# Altium PCB MultiChannelLdc.PcbDoc
Units mm, origin at the board's own origin, x right, y up, seen from the top; angles counter-clockwise.
Board outline 60 x 70 mm, 2 copper layers (Top Layer, Bottom Layer); 194 components, 97 nets, 629 pads, 135 vias.
Unrouted connection lines stored in the file: 91.
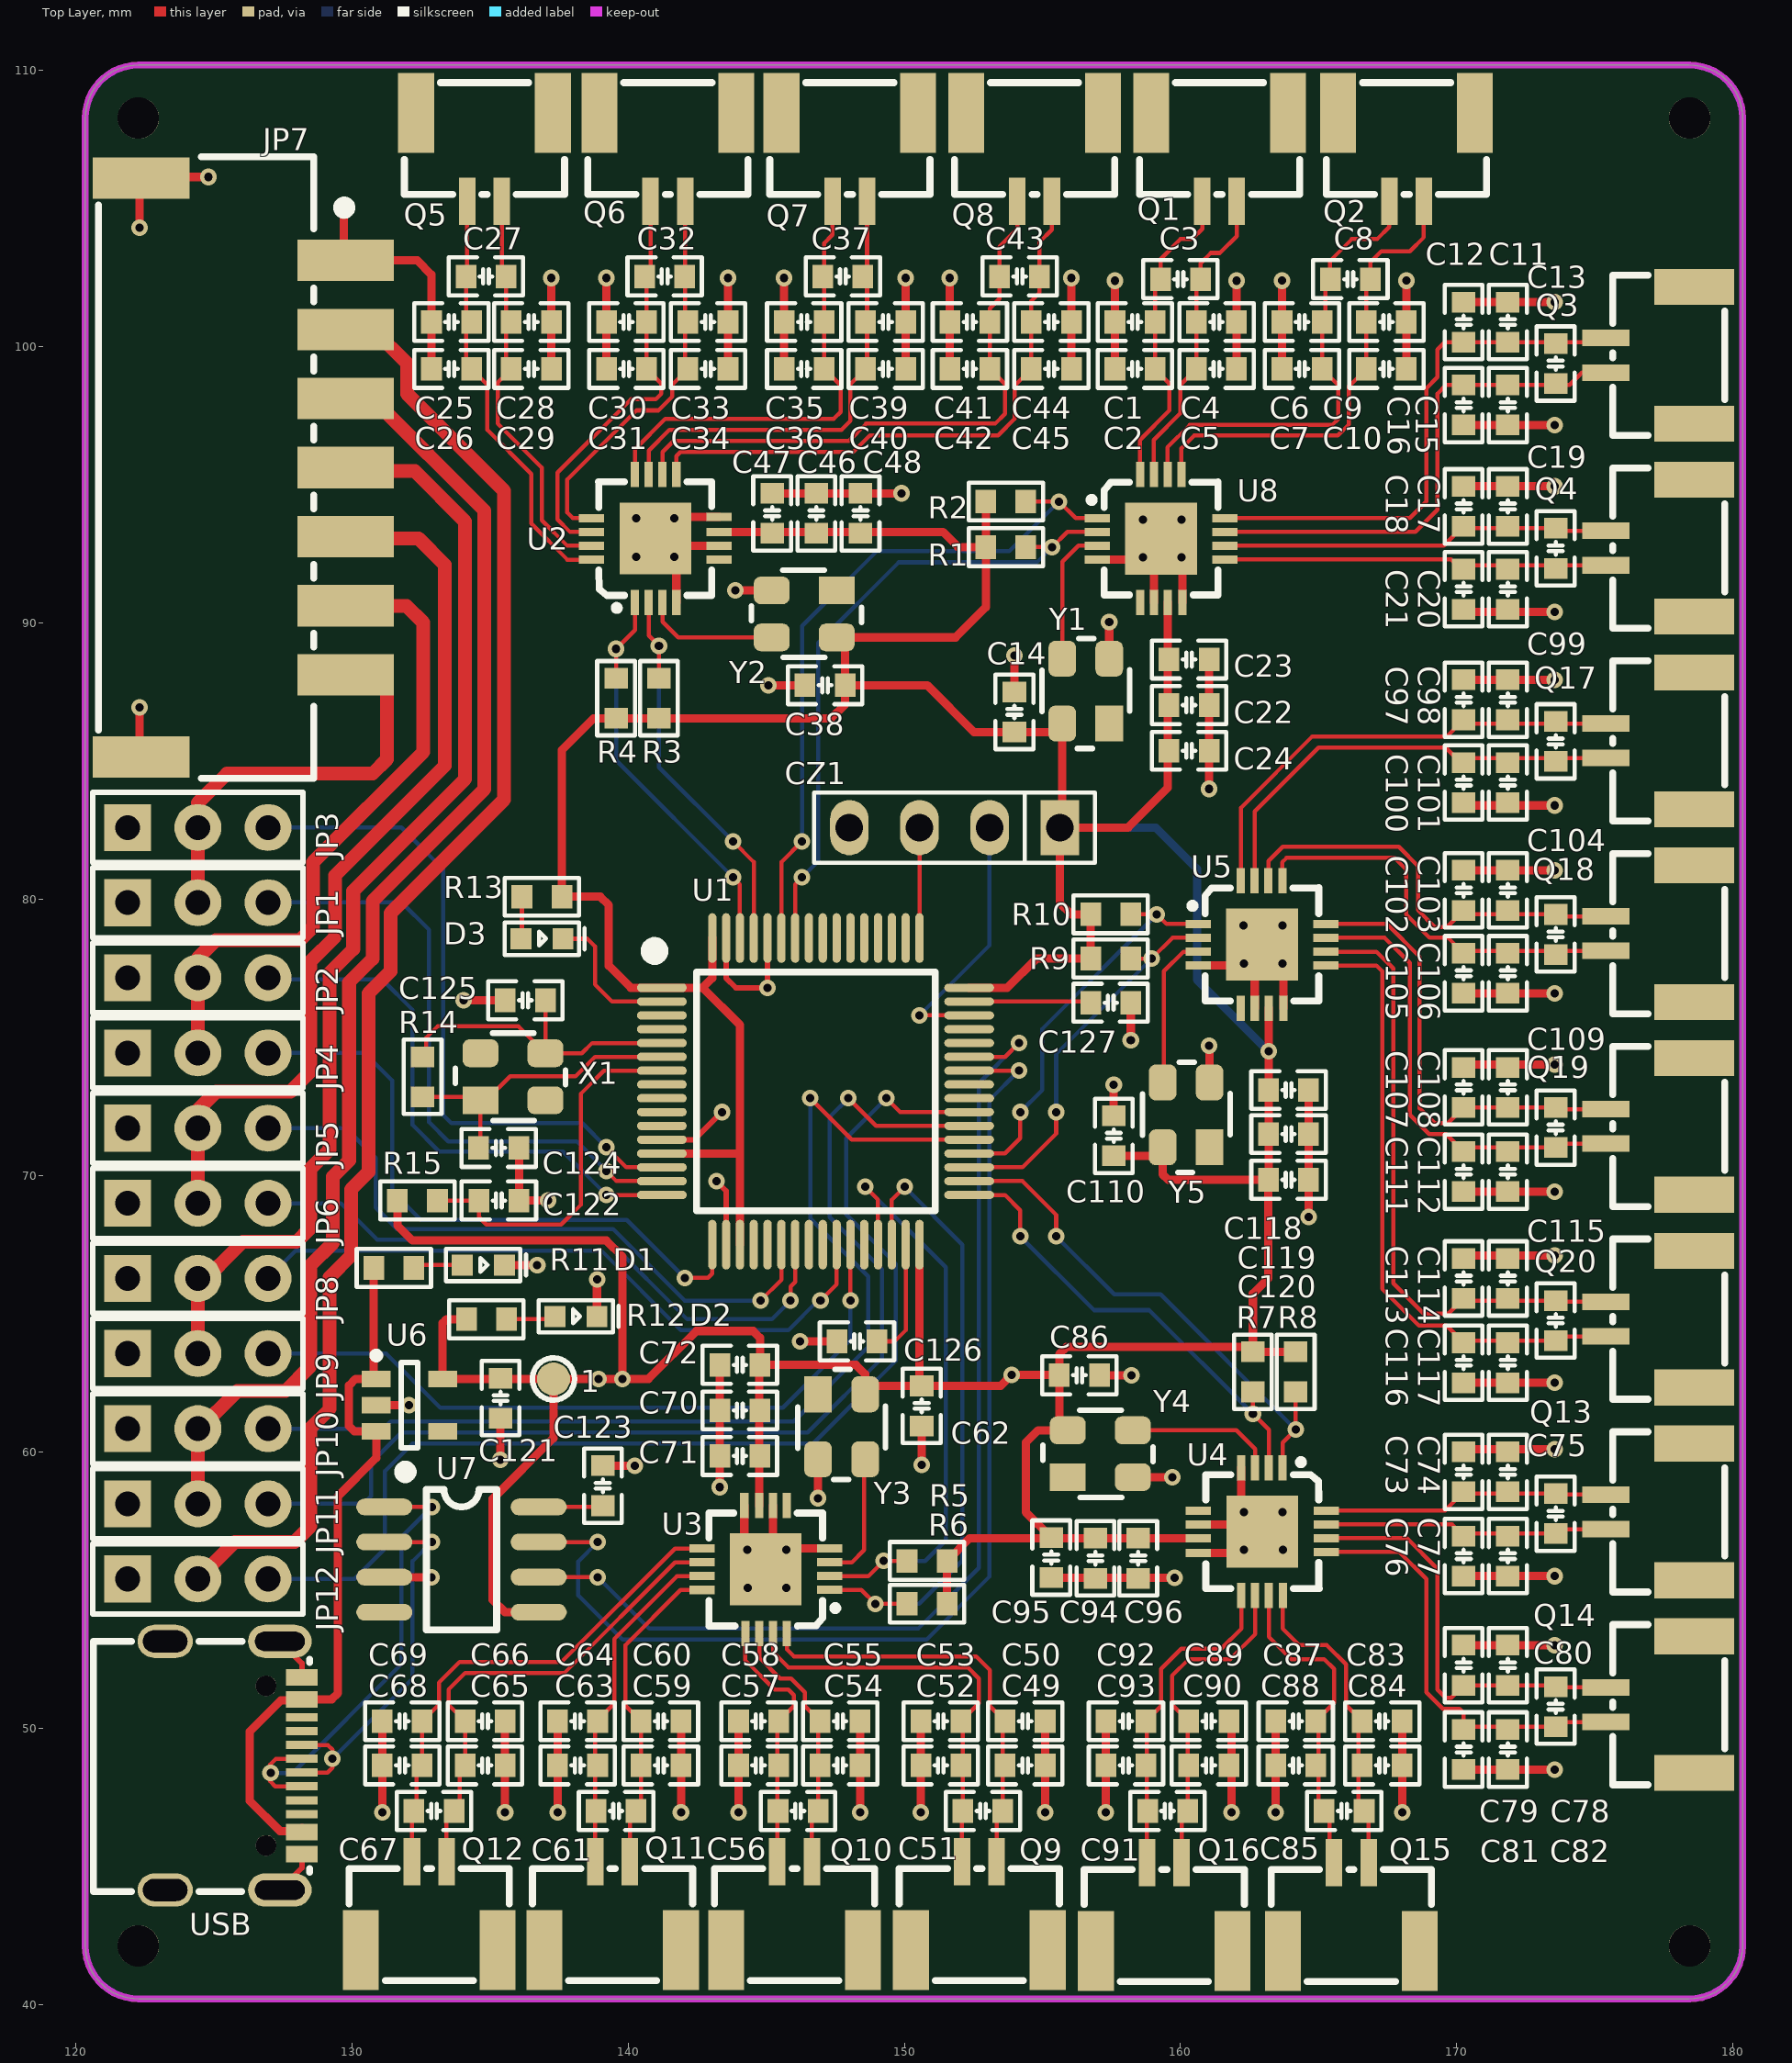
[diagram p0: Top Layer view]
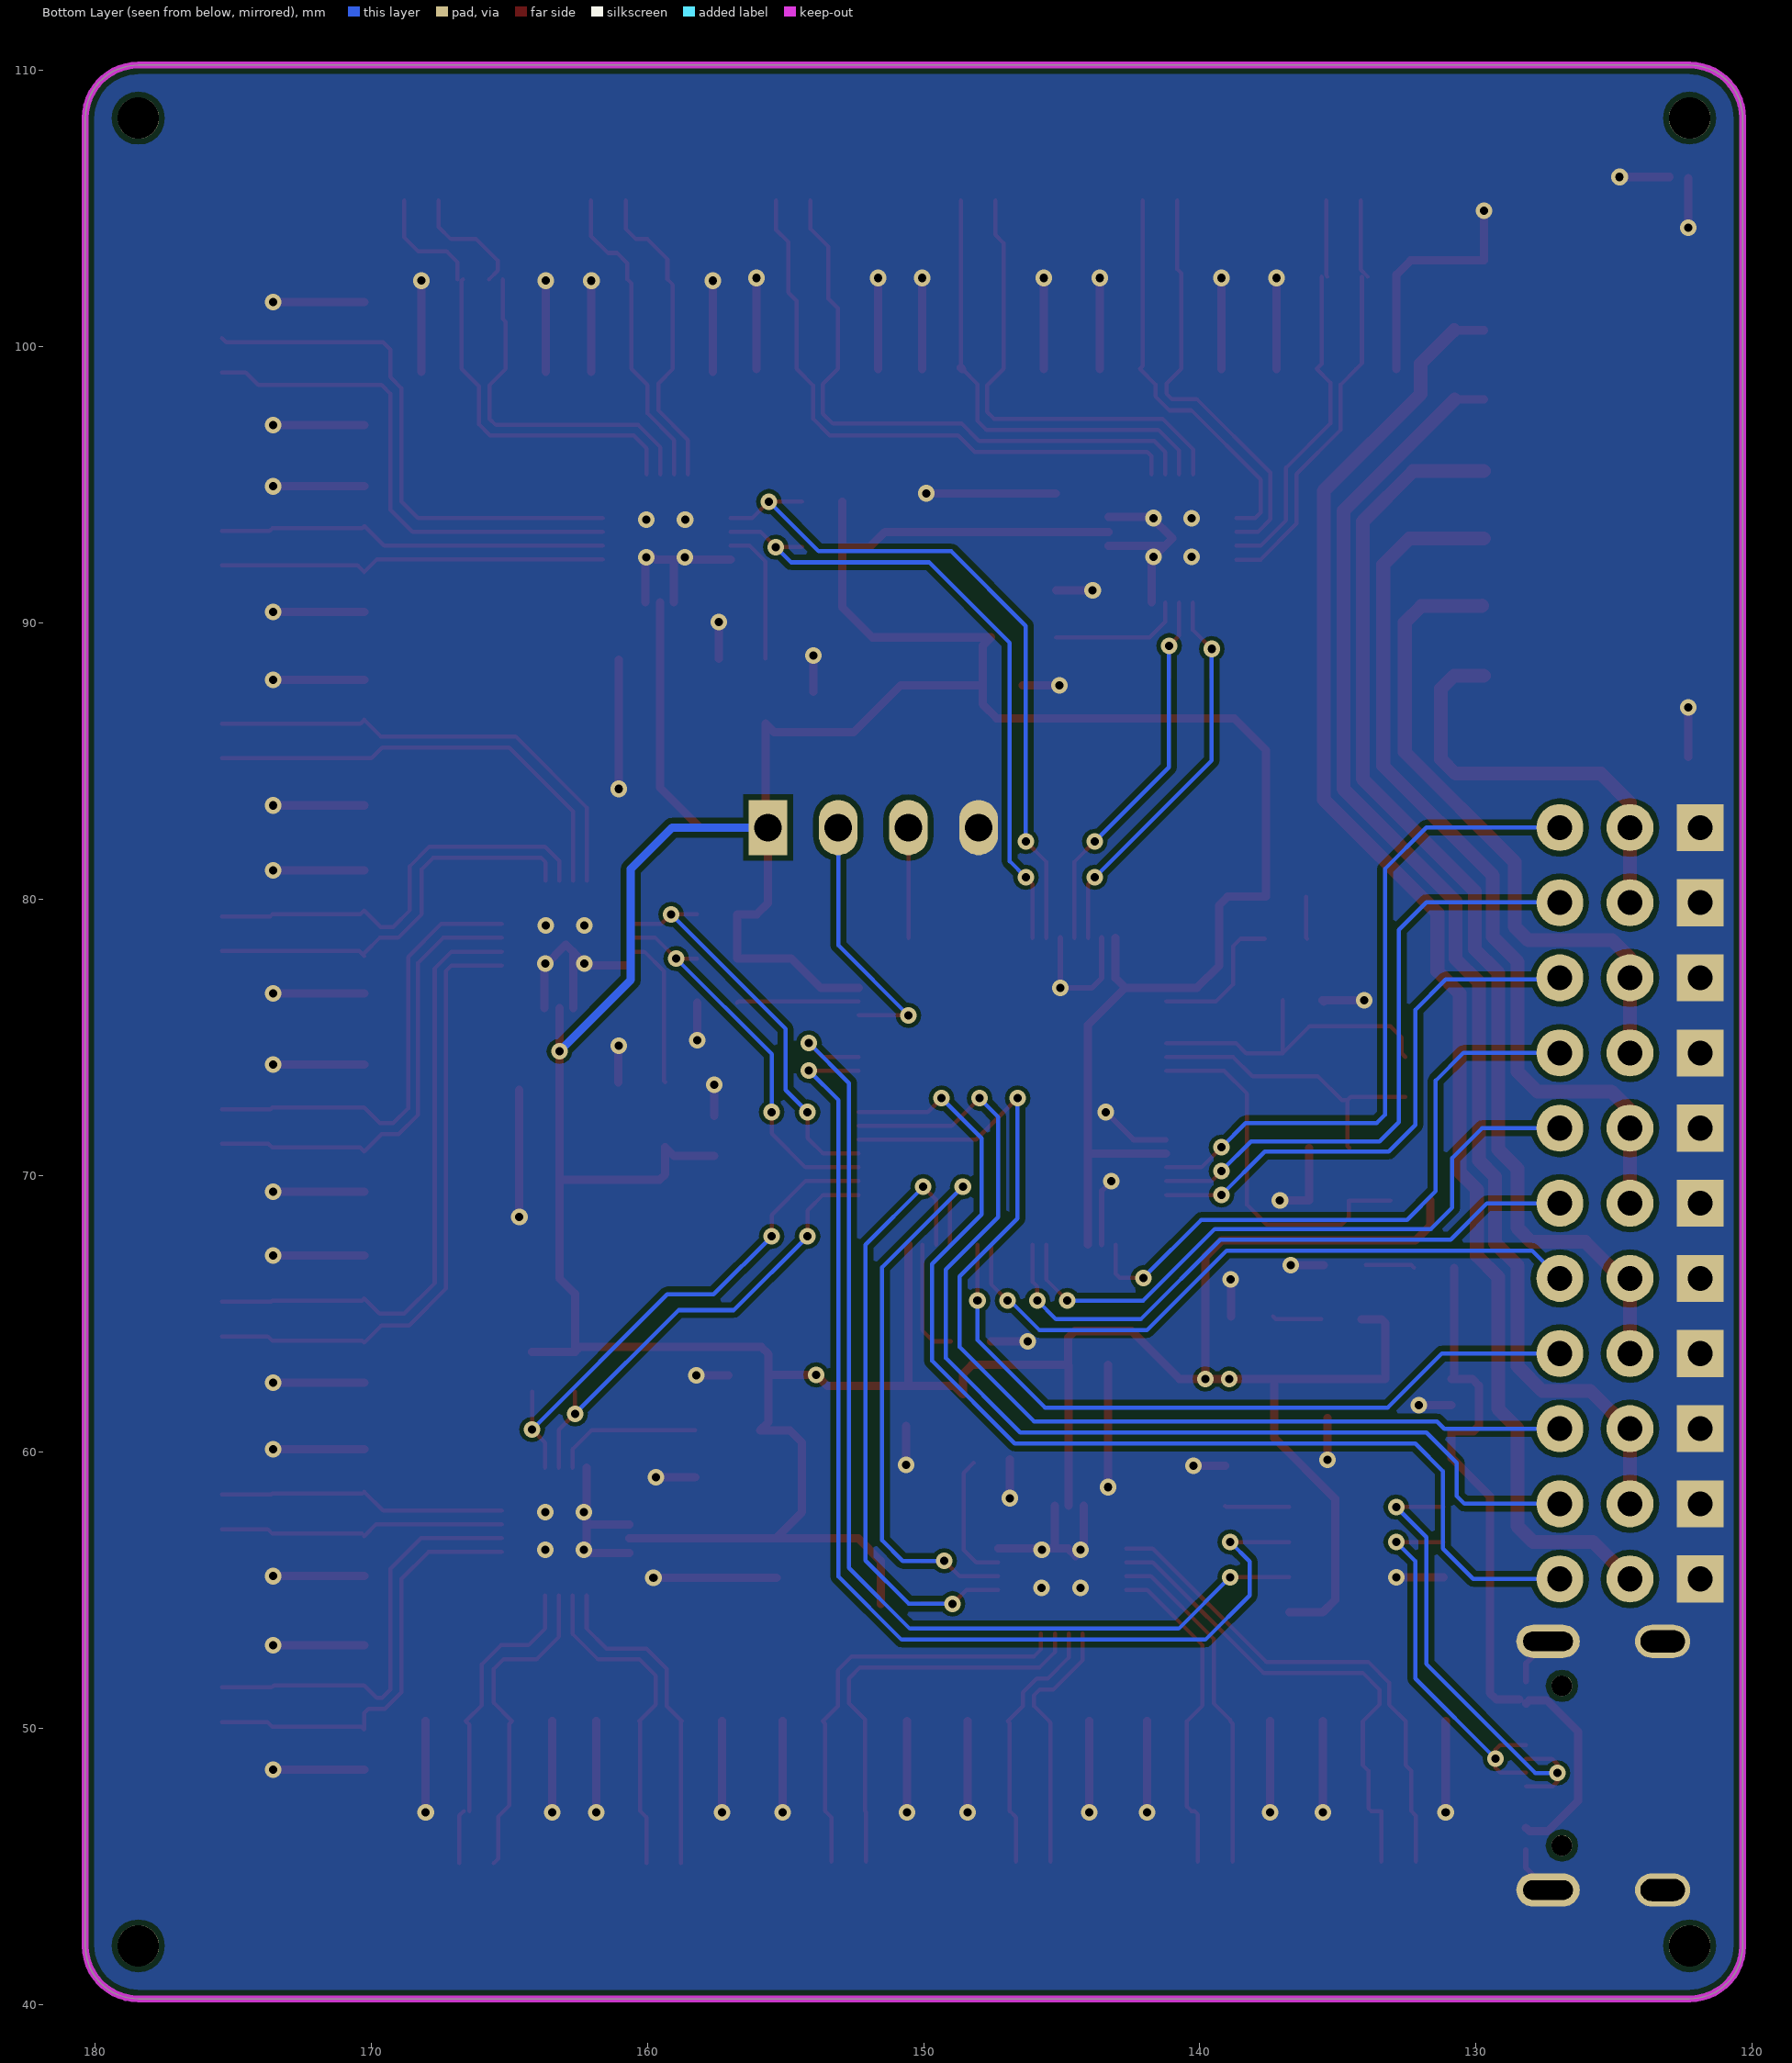
[diagram p1: Bottom Layer view, seen from below]

## Layer stack, top to bottom
Top Solder: solder mask 0.0102, Solder Resist, Dk 3.5
Top Layer: signal copper 0.0356
Dielectric 1: dielectric 0.32, FR-4, Dk 4.8
Bottom Layer: signal copper 0.0356
Bottom Solder: solder mask 0.0102, Solder Resist, Dk 3.5

## Board outline
120.35,42.12 ccw(c122.27,42.12) 122.27,40.2 178.43,40.201 178.43,40.2 ccw(c178.43,42.12) 180.35,42.12 180.35,108.28 ccw(c178.43,108.28) 178.43,110.2 178.43,110.201 122.27,110.2 ccw(c122.27,108.28) 120.35,108.28 120.35,108.281

## Design rules (kind name [scope] priority, off if disabled: settings)
AcuteAngle [All] p1: minimum=6.00000000000000E+0001 checktracksonly=FALSE
BoardOutlineClearance [All] p1: gap=0.2 ignorepadtopadclearanceinfootprint=FALSE
Clearance [All] p1: gap=0.15 ignorepadtopadclearanceinfootprint=TRUE except(0.2: Arc-Fill Arc-Poly Arc-Region Track-Fill Track-Poly Track-Region SMDPad-Fill SMDPad-Poly SMDPad-Region THPad-Fill THPad-Poly THPad-Region Fill-Fill Fill-Poly Fill-Region Poly-Poly Poly-Region Region-Region)
MatchedLengths [All] p1: tolerance=25.4 checknetsindiffpair=FALSE checkdiffpairvsdiffpair=TRUE checkxsignals=TRUE checkothers=TRUE
MaximumViaCount [All] p1: limit=1000
MinimumAnnularRing [All] p1: minimumring=0.254
PlaneConnect [All] p1: planeconnectstyle=Direct reliefexpansion=0.508 reliefentries=4 reliefconductorwidth=0.254 reliefairgap=0.254
PolygonConnect [All] p1: connectstyle=Direct reliefconductorwidth=0.254 reliefentries=4 polygonreliefangle="90 Angle" airgapwidth=0.254
RoutingVias [All] p1: holewidth=0.711 width=1.27 viastyle="Through Hole" minholewidth=0.711 minwidth=1.27 maxholewidth=0.711 maxwidth=1.27
SolderMaskExpansion [All] p1: expansion=0.076 istentingtop=FALSE
StubLength [All] p1: limit=25.4
ViasUnderSMD [All] p1: allowed=FALSE
Width POW [InNetClass('POW')] p1: maxlimit=0.3 minlimit=0.2 preferedwidth=0.2
Width [All] p2: maxlimit=0.15 minlimit=0.15 preferedwidth=0.15
29 further rules are at their usual default settings.

## Classes and differential pairs
component class MultiChannelLdc2: C1 C2 C3 C4 C5 C6 C7 C8 C9 C10 C11 C12 C13 C14 C15 C16 C17 C18 C19 C20 C21 C22 C23 C24 C25 C26 C27 C28 C29 C30 C31 C32 C33 C34 C35 C36 C37 C38 C39 C40 C41 C42 C43 C44 C45 C46 C47 C48 Q1 Q2 Q3 Q4 Q5 Q6 Q7 Q8 R1 R2 R3 R4 U2 U8 Y1 Y2
component class MultiChannelLdc3: C49 C50 C51 C52 C53 C54 C55 C56 C57 C58 C59 C60 C61 C62 C63 C64 C65 C66 C67 C68 C69 C70 C71 C72 C73 C74 C75 C76 C77 C78 C79 C80 C81 C82 C83 C84 C85 C86 C87 C88 C89 C90 C91 C92 C93 C94 C95 C96 Q9 Q10 Q11 Q12 Q13 Q14 Q15 Q16 R5 R6 R7 R8 U3 U4 Y3 Y4
component class MultiChannelLdc4: C97 C98 C99 C100 C101 C102 C103 C104 C105 C106 C107 C108 C109 C110 C111 C112 C113 C114 C115 C116 C117 C118 C119 C120 Q17 Q18 Q19 Q20 R9 R10 U5 Y5
component class MultiChannelLdc: 1 C121 C122 C123 C124 C125 C126 C127 CZ1 D1 D2 D3 JP1 JP2 JP3 JP4 JP5 JP6 JP8 JP9 JP10 JP11 JP12 R11 R12 R13 R14 R15 U1 U6 U7 USB X1
net class POW: 3V3 5V +5V_1 +5V_2 +5V_3 +5V_4 +5V_5 +5V_6 GND

## Components (designator, comment, footprint, x,y, rotation, side; value= is the part's Value field where it differs from the comment)
1 "CS" "TEST 1.2" 137.3,62.639 r270 top
C1 "18PF" C0603_L 158.351,100.9 r180 top value=104
C2 "18PF" C0603_L 158.351,99.2 r180 top value=104
C3 "470pF" C0603_L 160,102.45 r180 top value=104
C4 "18PF" C0603_L 161.301,100.9 r180 top value=104
C5 "18PF" C0603_L 161.301,99.2 r180 top value=104
C6 "18PF" C0603_L 164.401,100.9 r180 top value=104
C7 "18PF" C0603_L 164.401,99.2 r180 top value=104
C8 "470pF" C0603_L 166.15,102.45 r180 top value=104
C9 "18PF" C0603_L 167.451,100.9 r180 top value=104
C10 "18PF" C0603_L 167.451,99.2 r180 top value=104
C11 "18PF" C0603_L 171.85,100.895 r90 top value=104
C12 "18PF" C0603_L 170.25,100.895 r90 top value=104
C13 "470pF" C0603_L 173.581,99.395 r90 top value=104
C14 "104" C0603_L 153.986,86.784 r90 top
C15 "18PF" C0603_L 171.85,97.895 r90 top value=104
C16 "18PF" C0603_L 170.25,97.895 r90 top value=104
C17 "18PF" C0603_L 171.85,94.226 r90 top value=104
C18 "18PF" C0603_L 170.25,94.226 r90 top value=104
C19 "470pF" C0603_L 173.581,92.706 r90 top value=104
C20 "18PF" C0603_L 171.85,91.226 r90 top value=104
C21 "18PF" C0603_L 170.25,91.226 r90 top value=104
C22 "104" C0603_L 160.311,87.031 r0 top
C23 "105" C0603_L 160.311,88.682 r0 top value=104
C24 "103" C0603_L 160.311,85.38 r0 top value=104
C25 "18PF" C0603_L 133.608,100.9 r180 top value=104
C26 "18PF" C0603_L 133.608,99.2 r180 top value=104
C27 "470pF" C0603_L 134.858,102.55 r180 top value=104
C28 "18PF" C0603_L 136.498,100.9 r180 top value=104
C29 "18PF" C0603_L 136.498,99.2 r180 top value=104
C30 "18PF" C0603_L 139.942,100.9 r180 top value=104
C31 "18PF" C0603_L 139.942,99.2 r180 top value=104
C32 "470pF" C0603_L 141.325,102.55 r180 top value=104
C33 "18PF" C0603_L 142.892,100.9 r180 top value=104
C34 "18PF" C0603_L 142.892,99.2 r180 top value=104
C35 "18PF" C0603_L 146.376,100.9 r180 top value=104
C36 "18PF" C0603_L 146.376,99.2 r180 top value=104
C37 "470pF" C0603_L 147.775,102.55 r180 top value=104
C38 "104" C0603_L 147.134,87.75 r180 top
C39 "18PF" C0603_L 149.326,100.9 r180 top value=104
C40 "18PF" C0603_L 149.326,99.2 r180 top value=104
C41 "18PF" C0603_L 152.376,100.9 r180 top value=104
C42 "18PF" C0603_L 152.376,99.2 r180 top value=104
C43 "470pF" C0603_L 154.175,102.55 r180 top value=104
C44 "18PF" C0603_L 155.326,100.9 r180 top value=104
C45 "18PF" C0603_L 155.326,99.2 r180 top value=104
C46 "104" C0603_L 146.817,93.975 r90 top
C47 "105" C0603_L 145.217,93.975 r90 top value=104
C48 "103" C0603_L 148.417,93.975 r90 top value=104
C49 "18PF" C0603_L 154.375,48.65 r0 top value=104
C50 "18PF" C0603_L 154.375,50.25 r0 top value=104
C51 "470pF" C0603_L 152.845,47 r0 top value=104
C52 "18PF" C0603_L 151.325,48.65 r0 top value=104
C53 "18PF" C0603_L 151.325,50.25 r0 top value=104
C54 "18PF" C0603_L 147.675,48.65 r0 top value=104
C55 "18PF" C0603_L 147.675,50.25 r0 top value=104
C56 "470pF" C0603_L 146.155,47 r0 top value=104
C57 "18PF" C0603_L 144.725,48.65 r0 top value=104
C58 "18PF" C0603_L 144.725,50.25 r0 top value=104
C59 "18PF" C0603_L 141.191,48.65 r0 top value=104
C60 "18PF" C0603_L 141.191,50.25 r0 top value=104
C61 "470pF" C0603_L 139.565,47 r0 top value=104
C62 "104" C0603_L 150.63,61.662 r270 top
C63 "18PF" C0603_L 138.175,48.65 r0 top value=104
C64 "18PF" C0603_L 138.175,50.25 r0 top value=104
C65 "18PF" C0603_L 134.825,48.65 r0 top value=104
C66 "18PF" C0603_L 134.825,50.25 r0 top value=104
C67 "470pF" C0603_L 132.975,47 r0 top value=104
C68 "18PF" C0603_L 131.825,48.65 r0 top value=104
C69 "18PF" C0603_L 131.825,50.25 r0 top value=104
C70 "104" C0603_L 144.049,61.5 r180 top
C71 "105" C0603_L 144.049,59.85 r180 top value=104
C72 "103" C0603_L 144.049,63.15 r180 top value=104
C73 "18PF" C0603_L 170.25,59.276 r90 top value=104
C74 "18PF" C0603_L 171.85,59.276 r90 top value=104
C75 "470pF" C0603_L 173.581,57.764 r90 top value=104
C76 "18PF" C0603_L 170.25,56.226 r90 top value=104
C77 "18PF" C0603_L 171.85,56.226 r90 top value=104
C78 "18PF" C0603_L 171.85,52.276 r90 top value=104
C79 "18PF" C0603_L 170.25,52.276 r90 top value=104
C80 "470pF" C0603_L 173.581,50.776 r90 top value=104
C81 "18PF" C0603_L 170.25,49.226 r90 top value=104
C82 "18PF" C0603_L 171.85,49.226 r90 top value=104
C83 "18PF" C0603_L 167.3,50.25 r0 top value=104
C84 "18PF" C0603_L 167.3,48.65 r0 top value=104
C85 "470pF" C0603_L 165.925,47 r0 top value=104
C86 "104" C0603_L 156.339,62.773 r0 top
C87 "18PF" C0603_L 164.175,50.25 r0 top value=104
C88 "18PF" C0603_L 164.175,48.65 r0 top value=104
C89 "18PF" C0603_L 161.025,50.25 r0 top value=104
C90 "18PF" C0603_L 161.025,48.65 r0 top value=104
C91 "470pF" C0603_L 159.535,47 r0 top value=104
C92 "18PF" C0603_L 158.025,50.25 r0 top value=104
C93 "18PF" C0603_L 158.025,48.65 r0 top value=104
C94 "104" C0603_L 156.921,56.148 r270 top
C95 "105" C0603_L 155.321,56.173 r270 top value=104
C96 "103" C0603_L 158.471,56.148 r270 top value=104
C97 "18PF" C0603_L 170.25,87.226 r90 top value=104
C98 "18PF" C0603_L 171.85,87.226 r90 top value=104
C99 "470pF" C0603_L 173.581,85.718 r90 top value=104
C100 "18PF" C0603_L 170.25,84.226 r90 top value=104
C101 "18PF" C0603_L 171.85,84.226 r90 top value=104
C102 "18PF" C0603_L 170.25,80.326 r90 top value=104
C103 "18PF" C0603_L 171.85,80.326 r90 top value=104
C104 "470pF" C0603_L 173.581,78.73 r90 top value=104
C105 "18PF" C0603_L 170.25,77.326 r90 top value=104
C106 "18PF" C0603_L 171.85,77.326 r90 top value=104
C107 "18PF" C0603_L 170.25,73.192 r90 top value=104
C108 "18PF" C0603_L 171.85,73.192 r90 top value=104
C109 "470pF" C0603_L 173.581,71.741 r90 top value=104
C110 "104" C0603_L 157.585,71.443 r90 top
C111 "18PF" C0603_L 170.25,70.145 r90 top value=104
C112 "18PF" C0603_L 171.85,70.145 r90 top value=104
C113 "18PF" C0603_L 170.25,66.276 r90 top value=104
C114 "18PF" C0603_L 171.85,66.276 r90 top value=104
C115 "470pF" C0603_L 173.581,64.753 r90 top value=104
C116 "18PF" C0603_L 170.25,63.226 r90 top value=104
C117 "18PF" C0603_L 171.85,63.226 r90 top value=104
C118 "104" C0603_L 163.91,73.1 r0 top
C119 "105" C0603_L 163.91,71.502 r0 top value=104
C120 "103" C0603_L 163.91,69.85 r0 top value=104
C121 "104" C0603_L 135.383,61.944 r90 top
C122 "0.1uF" C0603_L 135.325,69.1 r0 top
C123 "104" C0603_L 139.088,58.775 r90 top
C124 "22pF" C0603_L 135.319,71 r180 top
C125 "22pF" C0603_L 136.282,76.348 r0 top
C126 "2.2uF" C0603_L 148.288,64 r0 top
C127 "2.2uF" C0603_L 157.475,76.258 r180 top
CZ1 "SWD" SIP4 155.63,82.6 r180 top
D1 "LED" LED0603_R 134.757,66.762 r0 top
D2 "LED" LED0603_R 138.112,64.902 r0 top
D3 "LED" LED0603_R 136.881,78.574 r0 top
JP1 "HDR-1X3" HDR2.54-LI-3P 124.427,79.88 r0 top
JP2 "HDR-1X3" HDR2.54-LI-3P 124.427,77.16 r0 top
JP3 "HDR-1X3" HDR2.54-LI-3P 124.427,82.6 r0 top
JP4 "HDR-1X3" HDR2.54-LI-3P 124.427,74.44 r0 top
JP5 "HDR-1X3" HDR2.54-LI-3P 124.427,71.72 r0 top
JP6 "HDR-1X3" HDR2.54-LI-3P 124.427,69 r0 top
JP7 "HDR-1X7" CONN-SMD_7P-P2.54_MEGASTAR_ZX-XH2.54-7PWT 126.077,95.63 r270 top (schematic designator JP2)
JP8 "HDR-1X3" HDR2.54-LI-3P 124.427,66.28 r0 top
JP9 "HDR-1X3" HDR2.54-LI-3P 124.427,63.56 r0 top
JP10 "HDR-1X3" HDR2.54-LI-3P 124.427,60.84 r0 top
JP11 "HDR-1X3" HDR2.54-LI-3P 124.427,58.12 r0 top
JP12 "HDR-1X3" HDR2.54-LI-3P 124.427,55.4 r0 top
Q1 "" 座子 160.473,107.504 r180 top locked
Q2 "" 座子 167.245,107.504 r180 top locked
Q3 "" 座子 177.637,100.634 r90 top locked
Q4 "" 座子 177.637,93.656 r90 top locked
Q5 "" 座子 133.864,107.504 r180 top locked
Q6 "" 座子 140.502,107.504 r180 top locked
Q7 "" 座子 147.089,107.504 r180 top locked
Q8 "" 座子 153.777,107.504 r180 top locked
Q9 "" 座子 153.655,42.928 r0 top locked
Q10 "" 座子 146.967,42.928 r0 top locked
Q11 "" 座子 140.38,42.928 r0 top locked
Q12 "" 座子 133.742,42.928 r0 top
Q13 "" 座子 177.637,58.766 r90 top locked
Q14 "" 座子 177.637,51.788 r90 top locked
Q15 "" 座子 167.123,42.895 r0 top locked
Q16 "" 座子 160.351,42.895 r0 top locked
Q17 "" 座子 177.637,86.678 r90 top locked
Q18 "" 座子 177.637,79.7 r90 top locked
Q19 "" 座子 177.637,72.722 r90 top locked
Q20 "" 座子 177.637,65.744 r90 top locked
R1 "Res2" R0603_L 153.675,92.749 r180 top value=4.7K
R2 "Res2" R0603_L 153.675,94.4 r0 top value=4.7K
R3 "Res2" R0603_L 141.117,87.281 r270 top value=4.7K
R4 "Res2" R0603_L 139.567,87.281 r90 top value=4.7K
R5 "Res2" R0603_L 150.824,56.054 r0 top value=4.7K
R6 "Res2" R0603_L 150.824,54.502 r180 top value=4.7K
R7 "Res2" R0603_L 162.621,62.898 r90 top value=4.7K
R8 "Res2" R0603_L 164.171,62.898 r270 top value=4.7K
R9 "Res2" R0603_L 157.475,77.858 r180 top value=4.7K
R10 "Res2" R0603_L 157.475,79.458 r0 top value=4.7K
R11 "1K" R0603_L 131.52,66.66 r180 top
R12 "560R" R0603_L 134.875,64.8 r180 top
R13 "560R" R0603_L 136.882,80.095 r0 top
R14 "1M" R0603_L 132.562,73.575 r270 top
R15 "10K" R0603_L 132.375,69.1 r0 top
U1 "STM32F405RGT6" LQFP64-10*10 146.8,73.05 r270 top locked
U2 "LDC1614RGHT" W-QFN-16 141.139,92.834 r0 top
U3 "LDC1614RGHT" W-QFN-16 145.214,55.893 r90 top
U4 "LDC1614RGHT" W-QFN-16 162.81,57.34 r180 top
U5 "LDC1614RGHT" W-QFN-16 162.72,78.217 r270 top
U6 "TLV75733PDBVR" SOT23-5 132.085,61.689 r0 top
U7 "CH340N" SOP8_N 133.971,56.101 r0 top locked
U8 "LDC1614RGHT" W-QFN-16 159.069,92.91 r270 top
USB "TYPE-C 2.0 -16P" USB-C-SMD_16P 125.719,48.64 r90 top (schematic designator USBC1)
X1 "8M" SMD3225 135.832,73.579 r0 top
Y1 "40M有源晶振" SMD3225 156.569,87.539 r90 top
Y2 "40M有源晶振" SMD3225 146.378,90.333 r180 top
Y3 "40M有源晶振" SMD3225 147.731,60.907 r270 top
Y4 "40M有源晶振" SMD3225 157.095,59.934 r0 top
Y5 "40M有源晶振" SMD3225 160.205,72.198 r90 top
